# Altium PCB Radio_Receiver.PcbDoc (part 1 of 2) (continued)
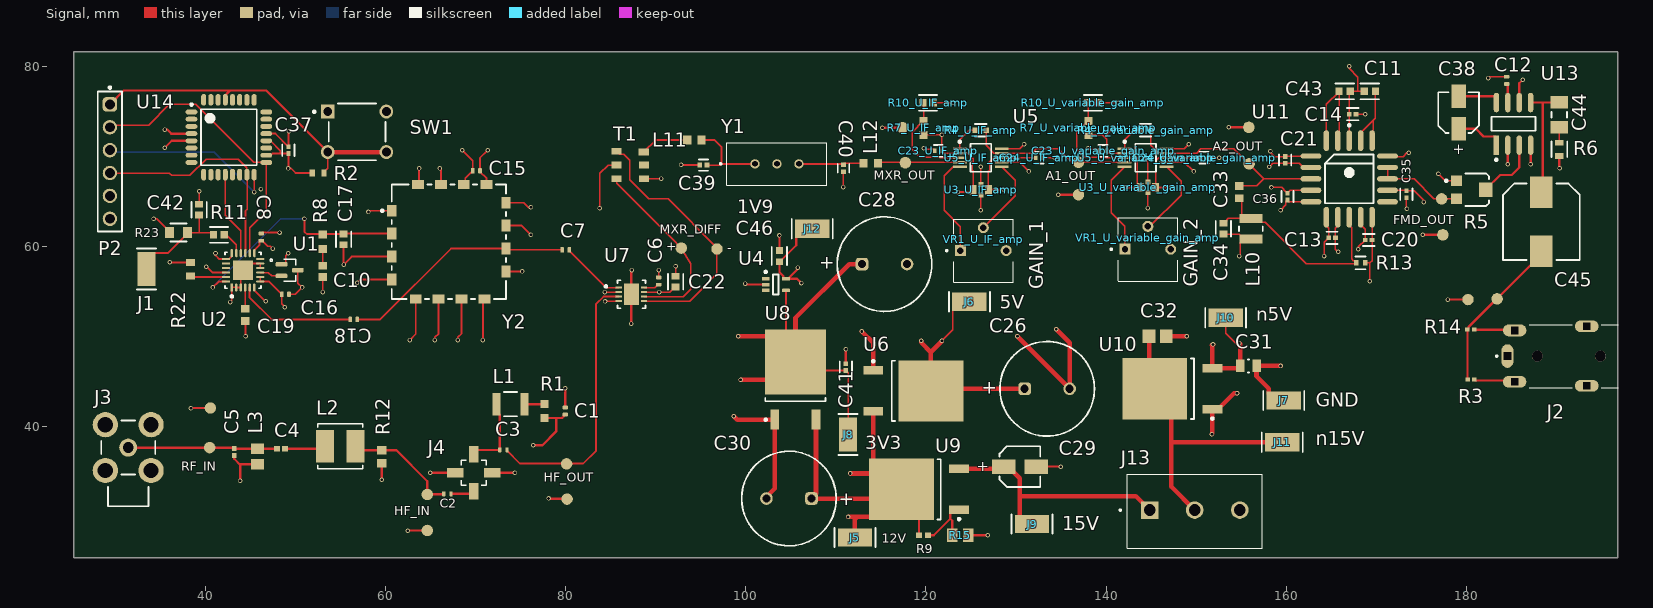
[diagram p0: Signal view]
## Footprints (in the part's own frame and the unit in brackets; to place one, negate y for a bottom-side part, rotate by r counter-clockwise, add the part's x,y. Pads: shape width x height; smd on the part's side, far side on the other; paste and mask are expansions set on the pad) (continued)
  rect 0.758x0.812 smd paste+0 mask+0: 1(-0.627,0) 2(0.627,0)
  silkscreen extent -1.01,-0.85 1.01,0.85, body extent -1.11,-0.55 1.11,0.55, height 0.25
FP-CL17-IPC_C [mm]
  rect 0.515x0.472 smd paste+0 mask+0: 1(-0.379,0) 2(0.379,0)
  silkscreen extent -0.64,-0.67 0.64,0.67, body extent -0.74,-0.38 0.74,0.38, height 0.25
FP-CP-24-10-IPC_B [mm]
  rect 0.91x0.242 smd paste+0 mask+0: 1(-1.901,1.25)
  rrect100% 0.91x0.242 smd paste+0 mask+0: 2(-1.901,0.75) 3(-1.901,0.25) 4(-1.901,-0.25) 5(-1.901,-0.75) 6(-1.901,-1.25) 13(1.901,-1.25) 14(1.901,-0.75) 15(1.901,-0.25) 16(1.901,0.25) 17(1.901,0.75) 18(1.901,1.25)
  rrect100% 0.242x0.91 smd paste+0 mask+0: 7(-1.25,-1.901) 8(-0.75,-1.901) 9(-0.25,-1.901) 10(0.25,-1.901) 11(0.75,-1.901) 12(1.25,-1.901) 19(1.25,1.901) 20(0.75,1.901) 21(0.25,1.901) 22(-0.25,1.901) 23(-0.75,1.901) 24(-1.25,1.901)
  rect 2.2x2.2 smd paste-1000 mask+0: 25(0,0)
  silkscreen extent -3.03,-2 2,2, body extent -2.61,-2.61 2.61,2.61, height 0.25
FP-CVCO55CL-0060-0110-MFG [mil]
  rect 52x40 smd paste+0 mask+0: 1(-135,-250) 2(-35,-250) 3(65,-250) 4(165,-250) 9(130,250) 10(30,250) 11(-70,250) 12(-170,250)
  rect 40x52 smd paste+0 mask+0: 5(250,-145) 6(250,-45) 7(250,55) 8(250,155) 13(-250,165) 14(-250,65) 15(-250,-35) 16(-250,-135)
  silkscreen extent -250,-296 250,250, body extent -274,-274 274,274, height 10
FP-D0008A-IPC_B [mm]
  rect 2.169x0.582 smd paste+0 mask+0: 1(-2.364,1.905)
  rrect100% 2.169x0.582 smd paste+0 mask+0: 2(-2.364,0.635) 3(-2.364,-0.635) 4(-2.364,-1.905) 5(2.364,-1.905) 6(2.364,-0.635) 7(2.364,0.635) 8(2.364,1.905)
  silkscreen extent -4.12,-2.45 0.78,2.45, body extent -3.7,-2.7 3.7,2.7, height 0.25
FP-DD-8-05-08-1698-MFG [mm]
  rect 0.7x0.25 smd paste+0 mask+0: 1(-1.4,0.75) 2(-1.4,0.25) 3(-1.4,-0.25) 4(-1.4,-0.75) 5(1.4,-0.75) 6(1.4,-0.25) 7(1.4,0.25) 8(1.4,0.75)
  rect 1.65x2.38 smd paste+0 mask+0: 9(0,0)
  silkscreen extent -2.95,-1.55 1.55,1.55, body extent -1.85,-1.8 1.85,1.8, height 0.25
FP-GRM155-0_05-MFG [mm]
  rect 0.4x0.5 smd paste+0 mask+0: 1(-0.4,0) 2(0.4,0)
  silkscreen extent -0.5,-0.65 0.5,0.65, body extent -0.7,-0.38 0.7,0.38, height 0.25
FP-LQW2UAS_00-MFG [mm]
  rect 1.015x2.54 smd paste+0 mask+0: 1(-1.142,0) 2(1.142,0)
  silkscreen extent -0.26,-1.33 0.26,1.33, body extent -1.75,-1.43 1.75,1.43, height 0.25
FP-LQW32FT_0H-MFG [mm]
  rect 0.9x2.5 smd paste+0 mask+0: 1(-1.55,0) 2(1.55,0)
  silkscreen extent -0.72,-1.35 0.72,1.35, body extent -2.1,-1.45 2.1,1.45, height 0.25
FP-PNM0402-MFG [mil]
  rect 25x24 smd paste+0 mask+0: 1(-23.5,0) 2(23.5,0)
  silkscreen extent -25,-28 25,28, body extent -40,-17 40,17, height 10
FP-RMCF0402-MFG [mm]
  rect 0.5x0.6 smd paste+0 mask+0: 1(-0.5,0) 2(0.5,0)
  silkscreen extent -0.55,-0.7 0.55,0.7, body extent -0.85,-0.4 0.85,0.4, height 0.25
FP-RMCF0603-IPC_C [mm]
  rect 0.806x0.858 smd paste+0 mask+0: 1(-0.601,0) 2(0.601,0)
  silkscreen extent -1,-0.87 1,0.87, body extent -1.1,-0.58 1.1,0.58, height 0.25
FP-RMCF0603-MFG [mm]
  rect 0.65x0.9 smd paste+0 mask+0: 1(-0.725,0) 2(0.725,0)
  silkscreen extent -0.85,-0.88 0.85,0.88, body extent -1.15,-0.58 1.15,0.58, height 0.25
FP-RR0816-MFG [mm]
  rect 1x1.2 smd paste+0 mask+0: 1(-1,0) 2(1,0)
  silkscreen extent -0.9,-1 0.9,1, body extent -1.6,-0.7 1.6,0.7, height 0.25
INDC1608X95N [mm]
  rect 0.9x0.97 smd: 1(-0.785,0) 2(0.785,0)
INDC2012X145N [mm]
  rect 1.2x1.47 smd: 1(-0.86,0) 2(0.86,0)
  body extent -1,-0.63 1,0.63, height 1.45
MCX5.08-H5 [mm] "Connector; RF Coaxial, MCX, Thru-Hole; 5 Position; Right-Angle"
  round 2 hole 1.2: 1(0,0)
  round 2.8 hole 1.7: 2(-2.54,-2.54) 3(2.54,-2.54) 4(2.54,2.54) 5(-2.54,2.54)
  silkscreen extent -6.5,-3 3,3
NIC-CAPA2-8X10_V [mm] "Aluminum Electrolytic Capacitor, Diameter 8mm, Height 10.8mm, Pitch 6.5mm"
  rect 3.5x2.5 smd: 1(-3.25,0) 2(3.25,0)
  silkscreen extent -4.25,-4.25 4.25,4.25, body extent -3.99,-3.97 3.99,4, height 10.8
PCBComponent_1#1 [mm]
  rrect50% 0.414x0.614 smd mask+0.076: 1(-0.4,0) 2(0.4,0)
PCBComponent_1#2 [mm]
  rect 0.762x1.143 smd: 1(-1.452,1.491) 2(0,1.524) 3(1.524,1.524) 4(-1.524,-1.524) 5(0,-1.524) 6(1.524,-1.524)
PHOENIX_1935174 [mm]
  rect 1.95x1.95 / inner round 1.95 / far side rect 1.95x1.95 hole 1.3: 1(2.5,4.25)
  round 1.95 hole 1.3: 2(7.5,4.25) 3(12.5,4.25)
  silkscreen extent -0.85,0 15,8.25, body extent -0.1,-0.75 15.57,8.25, height 11.55
"Res 0603" [mm] "Res 0603"
  rect 0.85x0.9 smd: 1(-0.775,0) 2(0.775,0)
  body extent -0.85,-0.45 0.85,0.45, height 0.55
RESC1005X40X25LL05T10 [mm] "Chip Resistor, 2-Leads, Body 1.00x0.50mm, IPC High Density"
  rect 0.5x0.45 smd: 1(-0.375,0) 2(0.375,0)
  body extent -0.53,-0.27 0.53,0.28, height 0.4
RESC1005X40X25ML05T05 [mm] "Chip Resistor, 2-Leads, Body 1.00x0.50mm, IPC Low Density"
  rect 0.65x0.65 smd: 1(-0.5,0) 2(0.5,0)
  body extent -0.53,-0.27 0.53,0.28, height 0.4
RESC1608X55N [mm]
  rect 0.89x0.93 smd: 1(-0.814,0) 2(0.814,0)
RESC1608X55X25LL10T15 [mm] "Chip Resistor, 2-Leads, Body 1.60x0.80mm, IPC High Density"
  rect 0.6x0.8 smd: 1(-0.65,0) 2(0.65,0)
  body extent -0.85,-0.45 0.85,0.45, height 0.55
RESC1608X55X25ML10T15 [mm] "Chip Resistor, 2-Leads, Body 1.60x0.80mm, IPC Low Density"
  rect 0.8x1 smd: 1(-0.75,0) 2(0.75,0)
  body extent -0.85,-0.45 0.85,0.45, height 0.55
RESC1608X55X30ML15T15 [mm] "Chip Resistor, 2-Leads, Body 1.60x0.80mm, IPC Low Density"
  rect 0.9x1.05 smd: 1(-0.725,0) 2(0.725,0)
  body extent -0.87,-0.48 0.87,0.48, height 0.55
RESC2013X70X40NL20T20 [mm] "Chip Resistor, 2-Leads, Body 2.2x1.35mm, IPC Medium Density"
  rect 1.15x1.45 smd: 1(-0.875,0) 2(0.875,0)
  body extent -1.1,-0.72 1.1,0.72, height 0.7
SOT65P210X110-3N [mm]
  rrect50% 1.29x0.5 smd: 1(-0.91,0.65) 2(-0.91,-0.65) 3(0.91,0)
  silkscreen extent -2.17,-1.22 0.68,1.24, body extent -1.05,-1 1.05,1, height 1.1
TENSILITY_54-00174 [mm]
  oval 2.616x1.308 hole 0.8 square: 1(0,6.8)
  oval 1.308x2.616 hole 0.8 square: 2(-2.85,6) 3(2.85,6) 4_1(-3.3,-2) 4_2(3.3,-2)
  round 1.2 hole 1.2 unplated: ""(0,3.5) ""(0,-3.5)
  silkscreen extent -3.5,-5.5 3.5,8.1
TRIM_3362P-1-251LF [mm]
  rect 1.222x1.222 / inner round 1.222 / far side rect 1.222x1.222 hole 0.714: 1(-2.54,0)
  round 1.222 hole 0.714: 2(0,2.54) 3(2.54,0)
  silkscreen extent -4.16,-3.53 3.3,3.47, body extent -3.3,-3.49 3.3,3.49, height 4.88
WCAP-ASLI_D4H5.5 [mm] "Aluminium Electrolytic V-Chip SMT Capacitors, 4x5.5mm"
  rect 2.6x1.6 smd: 1(-1268.2,-1270) 2(-1271.8,-1270)
  silkscreen extent -1272.25,-1272.25 -1267.75,-1267.75, body extent -1272.5,-1272.15 -1267.5,-1267.85, height 5.5
WCAP-AT1H_D10H20 [mm] "Aluminium Electrolytic Radial THD Capacitors, 10x20mm"
  rrect50% 1.4x1.4 hole 0.9: 1(2.5,0)
  round 1.4 hole 0.9: 2(-2.5,0)
  silkscreen extent -5.25,-5.25 5.25,5.25, body extent -4.99,-5 5,5, height 20.26
WE-LQFS_4828 [mm] "SMT Power Inductor, body 4.8x4.8mm"
  rect 3.6x2 smd: 1(0,1.7) 2(0,-1.7)
  silkscreen extent -2.5,-2.5 2.5,2.5, body extent -2.4,-2.4 2.4,2.4, height 2.8
WW107_MNC [mil]
  rect 72x40 smd paste+0 mask+0: 1(-81.5,0) 3(81.5,0)
  rect 40x72 smd paste+0 mask+0: 2(0,-81.5) 4(0,81.5)
  silkscreen extent -55,-55 55,55
X14 [mil]
  rect 30x40 smd paste+0 mask+0: 1(-33.5,0) 2(33.5,0)
  rect 22x21 smd paste+0 mask+0: 3(0,23.5) 4(0,-23.5)
  body extent -34,-20 34,20, height 26
XTAL_ECS-10.7-15A [mm]
  round 1.03 hole 0.63: 1(-2.44,0) 2(0,0) 3(2.44,0)
  silkscreen extent -6.35,-2.35 5.55,2.35

## Part data
C1 C2 C3 C6 C7 C8 C12 C15 C16 C18: "CAP SILICON 0.1UF 15% 11V 0402", Capacitance=0.1uF
C4: library part CMP-1034-00192-2, Capacitance="2.4 pF", Manufacturer=Murata, Part Number=GRM1555C1H2R4BA01D
C5: library part CMP-2008-04387-1, Capacitance="56 pF", Manufacturer=Murata, Part Number=GRM1555C1H560JA01D
C10: "Cap 0603 200 nF", Capacitance=200nF
C11 C43: library part CMP-2006-04363-2, "General Purpose Ceramic Capacitor, 0603, 82pF, 5%, NP0, 30ppm/°C, 50V", Capacitance=82pF, Case Code (Imperial)=0603, Case Code (Metric)=1608, Dielectric=C0G, Dielectric Material=Ceramic, Insulation Resistance=100GR, Max Operating Temperature=125°C, Min Operating Temperature=-55°C, Package Quantity=1, Temperature Coefficient=0ppm/°C, Tolerance=5%, Voltage=50V, Case/Package=0603, Construction=Flat, Depth=0.81mm, Height=0.63mm, Lead Free="Lead Free", Length=1.6mm, Mount="Surface Mount", Packaging="Tape and Reel", Radiation Hardening=No, REACH SVHC="No SVHC", RoHS Compliant=Yes, Series=-, Termination=SMD/SMT, Thickness=0.035inch, Voltage Rating=50V, Voltage Rating (DC)=50V, Width=0.032inch
C13 C14 C20 C21 C35 C36 C37 C41: library part CMP-13271-001069-1, "Cap Ceramic 100nF 10V X7R ±10% SMD 0402 +125°C Paper T/R", Capacitance=100nF, Case Code (Imperial)=0402, Case Code (Metric)=1005, Dielectric=X7R, Max Operating Temperature=125°C, Min Operating Temperature=-55°C, Package Quantity=1, Tolerance=10%, Voltage Rating=10V, Case/Package=0402, Contact Plating=Tin, Depth=0.5mm, Height=0.5mm, Length=1mm, Mount="Surface Mount", Packaging="Tape and Reel", Radiation Hardening=No, Thickness=0.022inch, Width=0.02inch
C17: library part CMP-2006-03348-2, "CAP CER 0.015UF 25V 5% NP0 0603", Capacitance="15,000 pF", Manufacturer=KEMET, Package=C0603C-CF, Temperature="-55°C to +125°C", Temperature Characteristic=C0G, Temperature Coefficient=30ppm/°C, Temperature Range High=+125°C, Temperature Range Low=-55°C, Tolerance=0.05, Voltage Rating="25 V", Automotive=Yes, Automotive Grade="Grade 1", Category=Cap, ComponentLink2Description=Datasheet, ComponentLink2URL=https://api.kemet.com/component-edge/download/datasheet/C0603C100J5GACAUTO.pdf, Device Class L1="Passive Components", Device Class L2=Capacitors, Device Class L3="Ceramic Capacitors", Digikey Description="CAP CER 0.015UF 25V 5% NP0 0603", Height=0.87mm, Lead Free=Yes, Manufacturer Part Number=C0603C153J3GACTU, Material=Ceramic, Mouser Description="Multilayer Ceramic Capacitors MLCC - SMD/SMT 25volts 0.015uF 5% C0G", Octopart=https://octopart.com/c0603c153j3gactu-kemet-12793174, RoHS=TRUE
C19: library part CMP-2006-02595-1, Capacitance="100 pF", Manufacturer=Murata, Part Number=GRM1885C1H101JA01D
C22: library part CMP-2006-03022-3, "CAP CER 1000PF 50V X7R 0603", Capacitance="1 nF", Manufacturer=KEMET, Package=C0603C-CF, Temperature="-55°C to +125°C", Temperature Characteristic=X7R, Temperature Coefficient=30ppm/°C, Temperature Range High=+125°C, Temperature Range Low=-55°C, Tolerance=0.1, Voltage Rating="50 V", Automotive=Yes, Automotive Grade="Grade 1", Category=Cap, ComponentLink2Description=Datasheet, ComponentLink2URL=https://api.kemet.com/component-edge/download/datasheet/C0603C100J5GACAUTO.pdf, Device Class L1="Passive Components", Device Class L2=Capacitors, Device Class L3="Ceramic Capacitors", Digikey Description="CAP CER 1000PF 50V X7R 0603", Height=0.87mm, Lead Free=Yes, Manufacturer Part Number=C0603C102K5RACTU, Material=Ceramic, Mouser Description="Capacitor; Ceramic; Cap; 1000pF; Tol 10%; SMT; Vol-Rtg 50V; X7R; Tape and Reel", Octopart=https://octopart.com/c0603c102k5ractu-kemet-144878, RoHS=TRUE
C23_U_IF_amp C23_U_variable_gain_amp C24_U_IF_amp C24_U_variable_gain_amp: library part CMP-2008-04131-2, "Chip Multilayer Ceramic Capacitors for General Purpose, 0402, 2.2uF, X6S, 22%, 10%, 6.3V", Capacitance=2.2uF, Case Code (Imperial)=0402, Case Code (Metric)=1005, Max Operating Temperature=105°C, Min Operating Temperature=-55°C, Tolerance=10%, Voltage Rating=6.3V, Case/Package=0402, Height=0.3mm, Length=0.039inch, Material=Ceramic, Mount="Surface Mount", Packaging="Tape and Reel", Thickness=0.022inch, Voltage Rating (DC)=6.3V, Width=0.02inch
C26 C28 C30: library part CMP-03913-130590150-1, "860240975002 Cap, 22Uf, 160V, Alu Elec, Radial Rohs Compliant: Yes", Capacitance=22µF, Leakage Current=240.8µA, Ripple Current=450mA, Voltage Rating=160V, Diameter=10mm, Hole Diameter=900µm, Length=20mm, NexarPartId=130590150, Pitch=5mm
C29 C38: library part CMP-03913-53914566-1, "865080340001 WCAP-ASLI Aluminum Electrolytic Capacitors", Capacitance=10µF, Case/Package=Radial, ESR (Equivalent Series Resistance)=1.66693Ω, Insulation Resistance=5.33333MΩ, Leakage Current=3µA, Max Operating Temperature=105°C, Min Operating Temperature=-55°C, Ripple Current=80mA, Tolerance=20%, Voltage Rating=16V, Diameter=4mm, Height=5.5mm, Height - Seated (Max)=5.5118mm, Impedance=2.2Ω, Lead Free="Lead Free", Length=5.5mm, Life (Hours)=2000hours, Mount="Surface Mount", NexarPartId=53914566, Packaging="Tape & Reel (TR)", Polarity=Polar, REACH SVHC=Unknown, Ripple Current (AC)=80mA, RoHS=Compliant, Voltage Rating (DC)=16V, Width=4.3mm
C31: library part CMP-03422-000001-1, "CAP CER 1UF 16V X7R 0805", Capacitance="1 uF", Manufacturer=Yageo, Package=CC0805-0.85, Temperature="-30°C to +85°C", Temperature Characteristic=X7R, Temperature Range High=+85°C, Temperature Range Low=-30°C, Tolerance=0.1, Voltage Rating="16 V", Automotive=No, Category=Cap, ComponentLink2Description=Datasheet, ComponentLink2URL=http://www.yageo.com/documents/recent/UPY-GPHC_Y5V_6.3V-to-50V_8.pdf, Device Class L1="Passive Components", Device Class L2=Capacitors, Device Class L3="Ceramic Capacitors", Digikey Description="CAP CER 1UF 16V X7R 0805", Footprint Url=http://www.yageo.com/exep/pages/download/literatures/UPY-C_GEN_24.pdf, Height=0.95mm, Ipc Land Pattern Name=CAPC200125X85, Lead Free=Yes, Manufacturer Part Number=CC0805KKX7R7BB105, Material=Ceramic, Mouser Description="Multilayer Ceramic Capacitors MLCC - SMD/SMT 1.0uF 16V X7R 10%", Octopart=https://octopart.com/cc0805kkx7r7bb105-yageo-8376555, RoHS=TRUE
C32: library part CMP-1036-04606-2, Capacitance="0.33 uF", Manufacturer=Murata, Part Number=GRM219R71H334KA88D
C33: library part CMP-2006-02300-1, Capacitance=10pF, Manufacturer=Murata, Part Number=GCM1885C1H100JA16D
C34: library part CMP-1035-02036-3, "CAP CER 2200PF 50V NP0 0603", Capacitance=2.2nF, Manufacturer=KEMET, Package=C0603C-CF, Temperature="-55°C to +125°C", Temperature Characteristic=C0G, Temperature Coefficient=30ppm/°C, Temperature Range High=+125°C, Temperature Range Low=-55°C, Tolerance=0.01, Voltage Rating="50 V", Automotive=Yes, Automotive Grade="Grade 1", Category=Cap, ComponentLink2Description=Datasheet, ComponentLink2URL=https://api.kemet.com/component-edge/download/datasheet/C0603C100J5GACAUTO.pdf, Device Class L1="Passive Components", Device Class L2=Capacitors, Device Class L3="Ceramic Capacitors", Digikey Description="CAP CER 2200PF 50V NP0 0603", Height=0.87mm, Lead Free=Yes, Manufacturer Part Number=C0603C222F5GACTU, Material=Ceramic, Mouser Description="Multilayer Ceramic Capacitors MLCC - SMD/SMT 50volts 2200pF 1% C0G", Octopart=https://octopart.com/c0603c222f5gactu-kemet-19049979, RoHS=TRUE
C39 C40: library part CMP-2008-03432-2, "CAP CER 39PF 50V NP0 0402", Capacitance="39 pF", Manufacturer=Kemet, Package=C0402-BB, Temperature="-55°C to +125°C", Temperature Characteristic=C0G, Temperature Coefficient=15%, Temperature Range High=+125°C, Temperature Range Low=-55°C, Tolerance=0.01, Voltage Rating="50 V", Automotive=No, Category=Cap, ComponentLink2Description=Datasheet, ComponentLink2URL=https://content.kemet.com/datasheets/KEM_C1002_X7R_SMD.pdf, Device Class L1="Passive Components", Device Class L2=Capacitors, Device Class L3="Ceramic Capacitors", Digikey Description="CAP CER 39PF 50V NP0 0402", Height=0.55mm, Ipc Land Pattern Name=CAPC10050X50, Lead Free=Yes, Manufacturer Part Number=C0402C390F5GACTU, Material=Ceramic, Mouser Description="Multilayer Ceramic Capacitors MLCC - SMD/SMT 50volts 39pF C0G 1%", Octopart=https://octopart.com/c0402c390f5gactu-kemet-16431666, RoHS=TRUE
C42: library part CMP-2006-03046-3, "CAP CER 10000PF 50V X7R 0603", Capacitance="10,000 pF", Manufacturer=KEMET, Package=C0603C-CF, Temperature="-55°C to +125°C", Temperature Characteristic=X7R, Temperature Coefficient=30ppm/°C, Temperature Range High=+125°C, Temperature Range Low=-55°C, Tolerance=0.1, Voltage Rating="50 V", Automotive=Yes, Automotive Grade="Grade 1", Category=Cap, ComponentLink2Description=Datasheet, ComponentLink2URL=https://api.kemet.com/component-edge/download/datasheet/C0603C100J5GACAUTO.pdf, Device Class L1="Passive Components", Device Class L2=Capacitors, Device Class L3="Ceramic Capacitors", Digikey Description="CAP CER 10000PF 50V X7R 0603", Height=0.87mm, Lead Free=Yes, Manufacturer Part Number=C0603C103K5RACTU, Material=Ceramic, Mouser Description="Ceramic Capacitor 0.01Uf, 50V, X7R, 10%, 0603, Full Reel", Octopart=https://octopart.com/c0603c103k5ractu-kemet-133094, RoHS=TRUE
C44: "0.05 ÂµF Â±5% 50V Ceramic Capacitor X7R 1206 (3216 Metric)", Package="3216 AVX", Check_prices=https://www.snapeda.com/parts/12065C503JAT2A/AVX/view-part/?ref=eda, MF=AVX, MP=12065C503JAT2A, SnapEDA_Link=https://www.snapeda.com/parts/12065C503JAT2A/AVX/view-part/?ref=snap
C45: library part CMP-0687-00080-1, "Aluminum Electrolytic Capacitor, UD Series, Low Impedance, 220 uF, 35 V, + / - 20%, -55 to 105 degC, Chip Type, 8 x 10 mm D x L, Pb-Free, Reel", Manufacturer=Nichicon, Rated Capacitance="220 uF", Rated Ripple Current (at 100kHz)="450 mA", Rated Voltage="35 V", Tolerance Rated Capacitance="-20 to 20%", ComponentLink1Description="Manufacturer URL", ComponentLink1URL=http://www.nichicon.co.jp/, ComponentLink2Description=Datasheet, ComponentLink2URL=http://products.nichicon.co.jp/en/pdf/XJA043/e-ud.pdf, ComponentLink3Description="Package Specification", ComponentLink3URL=http://products.nichicon.co.jp/en/pdf/XJA043/e-ud.pdf, DatasheetVersion=08/2012, Diameter="8 mm", Endurance Time="5000 h", Impedance="0.17 Ohm", Length="10 mm", Mounting Technology="Surface Mount", PackageDescription="2-Pin Surface Mount Device, Diameter 8 mm, Height 10 mm, Pitch 6.5 mm", PackageReference=CAPAE-D8H10, Packing="Dia382mm Reel", PartNumber=UUD1V221MNL1GS, RoHS=TRUE
C46: library part CMP-2000-06094-2, "Cap Ceramic 1uF 10V X7R ±10% Pad SMD 0603 +125°C T/R", Capacitance=1uF, Case Code (Imperial)=0603, Case Code (Metric)=1608, Dielectric=X7R, Max Operating Temperature=125°C, Min Operating Temperature=-55°C, Package Quantity=1, Tolerance=10%, Voltage Rating=10V, Case/Package=0603, Contact Plating=Tin, Depth=0.8mm, Height=0.8mm, Lead Free="Lead Free", Length=1.6mm, Mount="Surface Mount", Packaging="Tape and Reel", Radiation Hardening=No, Thickness=0.035inch, Voltage Rating (DC)=10V, Width=0.031inch
J1 J5 J6 J7 J8 J9 J10 J11 J12: library part CMP-1672-00008-2, Contact Material="Bronze, Silver", Contact Plating=Silver, Height=2.286mm, Lead Free="Lead Free", Material=Bronze, Mount="Surface Mount", NexarPartId=22052288, Number of Contacts=1, Number of Pins=1, Packaging="Tape and Reel", REACH SVHC="No SVHC", RoHS=Compliant, Termination=SMD/SMT
J2 L11 L12: Package=None, Availability=Unavailable, Price=None
  J2: MF="{'manufacturer': u'Tensility International Corp'}", MP=54-00174
  L11 L12: MF="{'manufacturer': u'TDK Corporation'}", MP=MLF1608E5R6JT000
J3: "RF F Connector, Female, Board Mount, Solder Terminal, Receptacle", Manufacturer=Molex, Manufacturer Part Number=0733300030, Manufacturer Series=73330, PackageDocument=04-Jul-1999, Supplier Part Number 1=538-73330-0030, Body/Shell Style=RECEPTACLE, Characteristic Impedance=75R, ComponentLink1Description="Manufacturer Link", ComponentLink1URL=http://www.amphenolrf.com/, ComponentLink2Description=https://datasheet.ciiva.com:443/pdfs/VipMasterIC/IC/MOLE/MOLE-S-A0006857462/MOLE-S-A0006862250-1.pdf?src-supplier=IHS+Markit, ComponentLink2URL=https://datasheet.ciiva.com:443/pdfs/VipMasterIC/IC/MOLE/MOLE-S-A0006857462/MOLE-S-A0006862250-1.pdf?src-supplier=IHS+Markit, ComponentLink3Description=http://components.arrow.com/part/dataview/32152820S6168678N3303?src-supplier=Arrow+Electronics, ComponentLink3URL=http://components.arrow.com/part/dataview/32152820S6168678N3303?src-supplier=Arrow+Electronics, ComponentLink4Description=https://datasheet.octopart.com/73330-0030-Molex-datasheet-154758290.pdf?src-supplier=Master+Electronics, ComponentLink4URL=https://datasheet.octopart.com/73330-0030-Molex-datasheet-154758290.pdf?src-supplier=Master+Electronics, Connector Type="RF F CONNECTOR", Contact Finish - Mating="NOT SPECIFIED", Contact Gender=Female, Coupling Type=Threaded, DatasheetDocument=30-May-2003, DIN Conformance=No, DrillSize="Corresponds to nominal value.", Filter Feature=No, IEC Conformance=No, LatestRevisionDate=15-Jul-2004, LatestRevisionNote="Component Replaced.", MIL Conformance=No, Mount=Board, Mounting Style="RIGHT ANGLE", Option="General Purpose", PackageReference=919-119J-51AX, Panel Mount=No, PCB_Layout="Complies with manufacturer's recommendation.", Pricing 1="1=2.91, 10=2.45, 50=2.45, 100=2.33, 1000=1.69, 10000=1.58 (USD)", Published=15-Jul-2004, Publisher="Altium Limited", Reach SVHC Compliant=No, RoHS=Yes, RoHS Compliant=Yes, Stock 1=3000, Supplier 1=Mouser, Termination=Solder
J4: "Wide Band Low Power Amplifier, 0MHz Min, 1000MHz Max, 1 Func, Hybrid", Input Power-Max (CW)=13dBm, Manufacturer=Mini-Circuits, Max Operating Temperature=85°C, Min Operating Temperature=-40°C, Operating Frequency-Max=1MHz, Operating Frequency-Min=0kHz, Package Body Material=Plastic, Power Supplies=3.7V, Additional Feature="LOW NOISE", Category="RF Amplifiers", Characteristic Impedance=50R, ComponentLink1Description=https://datasheet.ciiva.com:443/pdfs/VipMasterIC/IC/MINI/MINI-S-A0009008198/MINI-S-A0009008198-1.pdf?src-supplier=IHS+Markit, ComponentLink1URL=https://datasheet.ciiva.com:443/pdfs/VipMasterIC/IC/MINI/MINI-S-A0009008198/MINI-S-A0009008198-1.pdf?src-supplier=IHS+Markit, Construction=COMPONENT, Gain=20dB, JESD-609 Code=e2, Manufacturer Part Number=MAR-8ASM+, Mount="Surface Mount", Number of Functions=1, Number of Pins=4, Pricing 1="1=1.64, 20=1.57, 100=1.45, 200=1.3875 (USD)", Reach SVHC Compliant=Yes, RF/Microwave Device Type="WIDE BAND LOW POWER", RoHS=Yes, RoHS Compliant=Yes, Stock 1=4584, Supplier 1=Digi-Key, Technology=HYBRID, Terminal Finish=Nickel, VSWR-Max=1.8
J13: "PCB Terminal Screw 5mm 16AWG 400V 17.5A 3 Position COMBICON PT Series", Package=None, Check_prices=https://www.snapeda.com/parts/1935174/Phoenix+Contact/view-part/?ref=eda, MF="Phoenix Contact", MP=1935174, SnapEDA_Link=https://www.snapeda.com/parts/1935174/Phoenix+Contact/view-part/?ref=snap
L1: library part CMP-06042-015901-1, "FIXED IND 10UH 140MA 400MOHM SMD", Case Code (Imperial)=1210, Case Code (Metric)=3225, Current Rating=140mA, DC Resistance (DCR)=400mR, Inductance=10uH, Max Operating Temperature=125°C, Min Operating Temperature=-40°C, Ratings=AEC-Q200, Resistor Type=Wirewound, Saturation Current=500mA, Self Resonant Frequency=100MHz, Test Frequency=1MHz, Tolerance=20%, Case/Package=1210, Core Material=Ferrite, Mount="Surface Mount", Packaging="Tape and Reel", RoHS Compliant=Yes, Shielding=Shielded
L2: library part CMP-03913-77814920-1, "74406043012 Fixed Ind 1.2UH 3.61A 21MOHM SMD", Ambient Temperature Range High=85°C, Ambient Temperature Range Low=-40°C, Current Rating=3.61A, DC Resistance (DCR)=18mΩ, Inductance=1.2µH, Inductance Tolerance=30%, Max Operating Temperature=125°C, Height=2.8mm, Length=4.8mm, Min Operating Temperature=-40°C, NexarPartId=77814920, RoHS=Compliant, Width=4.8mm
L3: "Ind RF Chip Shielded Multi-Layer 47nH 20% 50MHz 15Q-Factor Ferrite 300mA 0805 Punched Paper T/R", Inductance="47 nH", Package="2012 Bourns", Availability="In Stock", Check_prices=https://www.snapeda.com/parts/MLF2012D47NMT000/TDK/view-part/?ref=eda, MF=TDK, MP=MLF2012D47NMT000, Price=None, Purchase-URL=https://pricing.snapeda.com/search/part/MLF2012D47NMT000/?ref=eda, SnapEDA_Link=https://www.snapeda.com/parts/MLF2012D47NMT000/TDK/view-part/?ref=snap
L10: library part CMP-06042-015113-1, "Wire Wound RF Inductor 100nH ±1% 650mA 0.56Ω 1008 (2520)", Inductance=0.1uH
P2: library part CMP-1502-01070-3, Color=Black, Contact Resistance=20mΩ, Current Rating=3A, Max Operating Temperature=105°C, Min Operating Temperature=-40°C, Operating Supply Voltage=250V, Connector Type="Male Pin", Contact Gender=Male, Contact Material=Copper, Contact Mating Length=5.9944mm, Contact Plating=Gold, Gender=Male, Height=8.89mm, Housing Material=PBT, Lead Free="Lead Free", Lead Pitch=2.54mm, Mount="Through Hole", NexarPartId=20084590, Number of Contacts=6, Number of Pins=6, Number of Positions=6, Number of Rows=1, Orientation=Vertical, Packaging=Bulk, Pitch=2.54mm, REACH SVHC=Unknown, RoHS=Compliant, Termination="Through Hole", Voltage Rating=250V
R1: Resistance="226 ohms"
R2: library part CMP-2000-06942-1, "Chip Resistor, 4.7 KOhm, +/- 1%, 0.1 W, -55 to 155 degC, 0603 (1608 Metric), RoHS, Tape and Reel", Case Code - in=0603, Case Code - mm=1608, Manufacturer=Yageo, Operating Temperature Range=-55Cto+155C, Package Description="2-Pin Surface Mount Device, Body 1.6 x 0.8 mm", Power Rating=100mW, Resistance=4.7kOhms, Temperature Coefficient=100PPM/C, Tolerance=1%, Voltage Rating=50V, Datasheet URL=http://www.yageo.com/documents/recent/PYu-RC_Group_51_RoHS_L_7.pdf, Datasheet Version="Rev. 7, 05/2017", Manufacturer URL=http://www.yageo.com/, Mounting Technology=SurfaceMount, Package Reference=0603, Packaging=Reel, Product=ThickFilmResistorsGeneralPurpose, Series=RC, Termination Style=SMD/SMT
R3 R14: library part CMP-2002-07941-1, Manufacturer="Yageo / Phycomp", Resistance="1k ohms", Part Number=RC0402JR-071KL
R4_U_IF_amp R4_U_variable_gain_amp: library part CMP-02407-011888-1, "RES SMD 500 OHM 0.1% 1/20W 0402", Case Code (Imperial)=0402, Case Code (Metric)=1005, Max Operating Temperature=155°C, Max Power Dissipation=50mW, Min Operating Temperature=-55°C, Package Quantity=1000, Resistance="500 Ohms", Resistor Type="Thin Film", Temperature Coefficient=25ppm/°C, Tolerance=0.1%, Case/Package=0402, Features="Moisture Resistant", Height=0.033inch, Lead Free="Lead Free", Length=0.042inch, Number of Terminations=2, Packaging="Tape and Reel", RoHS Compliant=Yes, Width=0.022inch
R5: library part CMP-2100-03695-1, "Trimming Potentiometer, 10000 Ohm, -40 to 100 degC, 3-Pin SMD, RoHS, Tape and Reel", Case/Package=SMD/SMT, Colour=Silver, Manufacturer=Bourns, Max Operating Temperature=100degC, Max Power Dissipation=100mW, Min Operating Temperature=-40degC, Package Description="3-Pin Surface Mount Device, Body 3.8 x 3.6 mm", Package Quantity=2500, Package Reference=TC33X-2, Resistance=10KOhm, Temperature Coefficient=250ppm/degreesC, Tolerance=25%, Voltage Rating (DC)=50V, Composition=Potentiometer, Contact Plating=Silver, Datasheet URL=http://www.bourns.com/docs/Product-Datasheets/TC33.pdf, Datasheet Version=42583.0, Depth=3.8mm, Height=0.047inch, Lead Free=LeadFree, Length=3mm, Manufacturer URL=http://www.bourns.com/, Military Standard=Not, Mount=SurfaceMount, Number of Turns=1, Packaging=TapeandReel, Power Rating=100mW, Radiation Hardening=No, REACH SVHC=NoSVHC, RoHSCompliant=true, Taper=Linear, Termination=FootPrint, Weight=29.4mg, Width=0.118inch
R6: library part CMP-26527-005040-1, "10Ω ±1% 0.1W 0603 Thick Film Chip Resistor AEC-Q200 compliant", Case Code (Imperial)=0603, Case Code (Metric)=1608, Max Operating Temperature=155°C, Max Power Dissipation=100mW, Min Operating Temperature=-55°C, Resistance="10 ohms", Resistor Type="Thick Film", Temperature Coefficient=100ppm/°C, Tolerance=1%, Case/Package=0603, Construction=Rectangular, Contact Plating=Tin, Depth=0.8mm, Features="Automotive AEC-Q200", Height=0.022inch, Length=1.55mm, Military Standard=Not, Mount="Surface Mount", Number of Terminations=2, Packaging="Tape and Reel", Power Rating=100mW, Radiation Hardening=No, RoHS Compliant=Yes, Series=RMCF, Width=0.031inch
R7_U_IF_amp R7_U_variable_gain_amp: "Res 40k ohm 0.1%"
R8: "RES 305 OHM 0.1% 1/10W 0603", Package=None, Resistance="305 ohms", Availability=Unavailable, MP=RN73H1JTTD3050B25, Price=None
R9: library part CMP-2002-00787-1, Manufacturer=Panasonic, Resistance="232 Ohms", Part Number=ERJ-2RKF2320X
R10_U_IF_amp R10_U_variable_gain_amp: library part CMP-26527-002098-1, "10kΩ ±5% 0.1W 0603 Thick Film Chip Resistor AEC-Q200 compliant", Case Code (Imperial)=0603, Case Code (Metric)=1608, Max Operating Temperature=155°C, Max Power Dissipation=100mW, Min Operating Temperature=-55°C, Resistance=10k, Resistor Type="Thick Film", Temperature Coefficient=100ppm/°C, Tolerance=5%, Case/Package=0603, Construction=Rectangular, Contact Plating=Tin, Depth=0.8mm, Features="Automotive AEC-Q200", Height=0.022inch, Lead Free="Lead Free", Length=1.55mm, Military Standard=Not, Mount="Surface Mount", Number of Terminations=2, Packaging="Tape and Reel", Power Rating=100mW, Radiation Hardening=No, Series=RMCF, Size Code=0603, Width=0.031inch
R11: library part CMP-26527-000129-1, "1.3kΩ ±1% 0.1W 0603 Thick Film Chip Resistor AEC-Q200 compliant", Case Code (Imperial)=0603, Case Code (Metric)=1608, Max Operating Temperature=155°C, Max Power Dissipation=100mW, Min Operating Temperature=-55°C, Resistance=1.3kR, Resistor Type="Thick Film", Temperature Coefficient=100ppm/°C, Tolerance=1%, Case/Package=0603, Construction=Rectangular, Contact Plating=Tin, Depth=0.8mm, Features="Automotive AEC-Q200", Height=0.022inch, Length=0.061inch, Military Standard=Not, Mount="Surface Mount", Number of Terminations=2, Packaging="Tape and Reel", Radiation Hardening=No, RoHS Compliant=Yes, Series=RMCF, Width=0.031inch
R12: library part CMP-2000-00538-1, Manufacturer=Panasonic, Resistance="49.9 ohms", Part Number=ERJ-3EKF49R9V
R13: library part CMP-26527-007323-1, "51.1Ω ±1% 0.063W 0402 Thick Film Chip Resistor AEC-Q200 compliant", Case Code (Imperial)=0402, Case Code (Metric)=1005, Max Operating Temperature=155°C, Max Power Dissipation=63mW, Min Operating Temperature=-55°C, Package Quantity=10000, Resistance=51.1R, Resistor Type="Thick Film", Temperature Coefficient=100ppm/°C, Tolerance=1%, Case/Package=0402, Contact Plating=Tin, Features="Automotive AEC-Q200", Height=0.016inch, Lead Free="Lead Free", Length=0.039inch, Mount="Surface Mount", Number of Terminations=2, Packaging="Tape and Reel", Radiation Hardening=No, RoHS Compliant=Yes, Series=RMCF, Width=0.02inch
R15: library part CMP-2001-00026-5, "Chip Resistor, 2 KOhm, +/- 1%, 0.125 W, -55 to 155 degC, 0805 (2012 Metric), RoHS, Tape and Reel", Manufacturer=Panasonic, Max Operating Temperature="155 degC", Min Operating Temperature="-55 degC", Package Quantity=5000, Resistance=2k, Voltage Rating="150 V", ComponentLink1Description="Manufacturer URL", ComponentLink1URL=http://www.panasonic.com/, ComponentLink2Description=Datasheet, ComponentLink2URL=http://industrial.panasonic.com/cdbs/www-data/pdf/RDA0000/AOA0000C86.pdf, DatasheetVersion=04/2015, Height="0.6 mm", Length="2 mm", Mount="Surface Mount", Mounting Technology="Surface Mount", PackageDescription="2-Pin Surface Mount Device, Body 2 x 1.25 mm", PackageReference=0805, Packaging="Tape and Reel", REACH SVHC=Unknown, RoHSCompliant=true
R22: library part CMP-2000-04091-1, Manufacturer=Yageo, Resistance=5.1k, Part Number=RC0603FR-075K1L
R23: library part CMP-2000-02424-2, "10kΩ ±0.5% 0.0625W 1/16W Chip Resistor 0603 (1608 Metric) Thin Film", Case Code (Imperial)=0603, Case Code (Metric)=1608, Max Operating Temperature=125°C, Max Power Dissipation=63mW, Min Operating Temperature=-55°C, Package Quantity=1, Resistance=10kR, Resistance Tolerance=0.5%, Resistor Type="Thin Film", Temperature Coefficient=25ppm/°C, Voltage Rating=75V, Case/Package=0603, Depth=0.8mm, Height=0.4mm, Lead Free="Lead Free", Length=1.6mm, Number of Pins=2, Number of Terminations=2, Packaging="Tape and Reel", Power Rating=63mW, RoHS Compliant=Yes, Series=RR, Size Code=0603, Technology="THIN FILM", Termination=SMD/SMT, Tolerance=0.5%, Voltage Rating (DC)=75V, Weight=7.1E-05oz, Width=0.8mm
SW1: library part CMP-03407-000001-1, "SWITCH TACTILE SPST-NO 0.05A 24V", Contact Current Rating=50mA, Contact Resistance=100mΩ, Manufacturer="TE Connectivity", Operating Force=160gf, Package=0, Temperature="-35°C to +85°C", Temperature Range High=+85°C, Temperature Range Low=-35°C, Automotive=No, Category=Switch, ComponentLink2Description=Datasheet, ComponentLink2URL=https://www.te.com/commerce/DocumentDelivery/DDEController?Action=srchrtrv&DocNm=1825910&DocType=Customer+Drawing&DocLang=English, Device Class L1=Electromechanical, Device Class L2=Switches, Device Class L3="Tactile Switches", Digikey Description="SWITCH TACTILE SPST-NO 0.05A 24V", Electromechanical Life=100000Cycles, Height=17.3mm, Lead Free=Yes, Manufacturer Part Number=3-1825910-1, Mount="Through Hole", Octopart=https://octopart.com/3-1825910-1-te+connectivity-46506874, RoHS=TRUE, Throw Configuration=SPST-NO
T1: "Center Tapped Transformer 16:1 Impedance Ratio"
U1: "Silicon Oscillator 1MHz- 0.6MHz to 9.99MHz CMOS/Squarewave 3-Pin SC-70 T/R", Package="SC-70-3 Analog", Check_prices=https://www.snapeda.com/parts/MAX7375AXR105+T/Maxim+Integrated/view-part/?ref=eda, Digi-Key_Part_Number=MAX7375AXR105+TTR-ND, MF="Maxim Integrated Products", MP=MAX7375AXR105+T, SnapEDA_Link=https://www.snapeda.com/parts/MAX7375AXR105+T/Maxim+Integrated/view-part/?ref=snap